# Altium PCB GE21_M1_pku_f100.PcbDoc (part 3 of 19)
Units mm, origin at the board's own origin, x right, y up, seen from the top; angles counter-clockwise.
Board outline 423.9 x 668.59 mm, 8 copper layers (Top Layer, Signal 1, DGNG1, POWER, AGND, DGND2, Signal 2, Bottom Layer), stack 1.03 mm thick; 171 components, 336 nets, 2040 pads, 4872 vias.
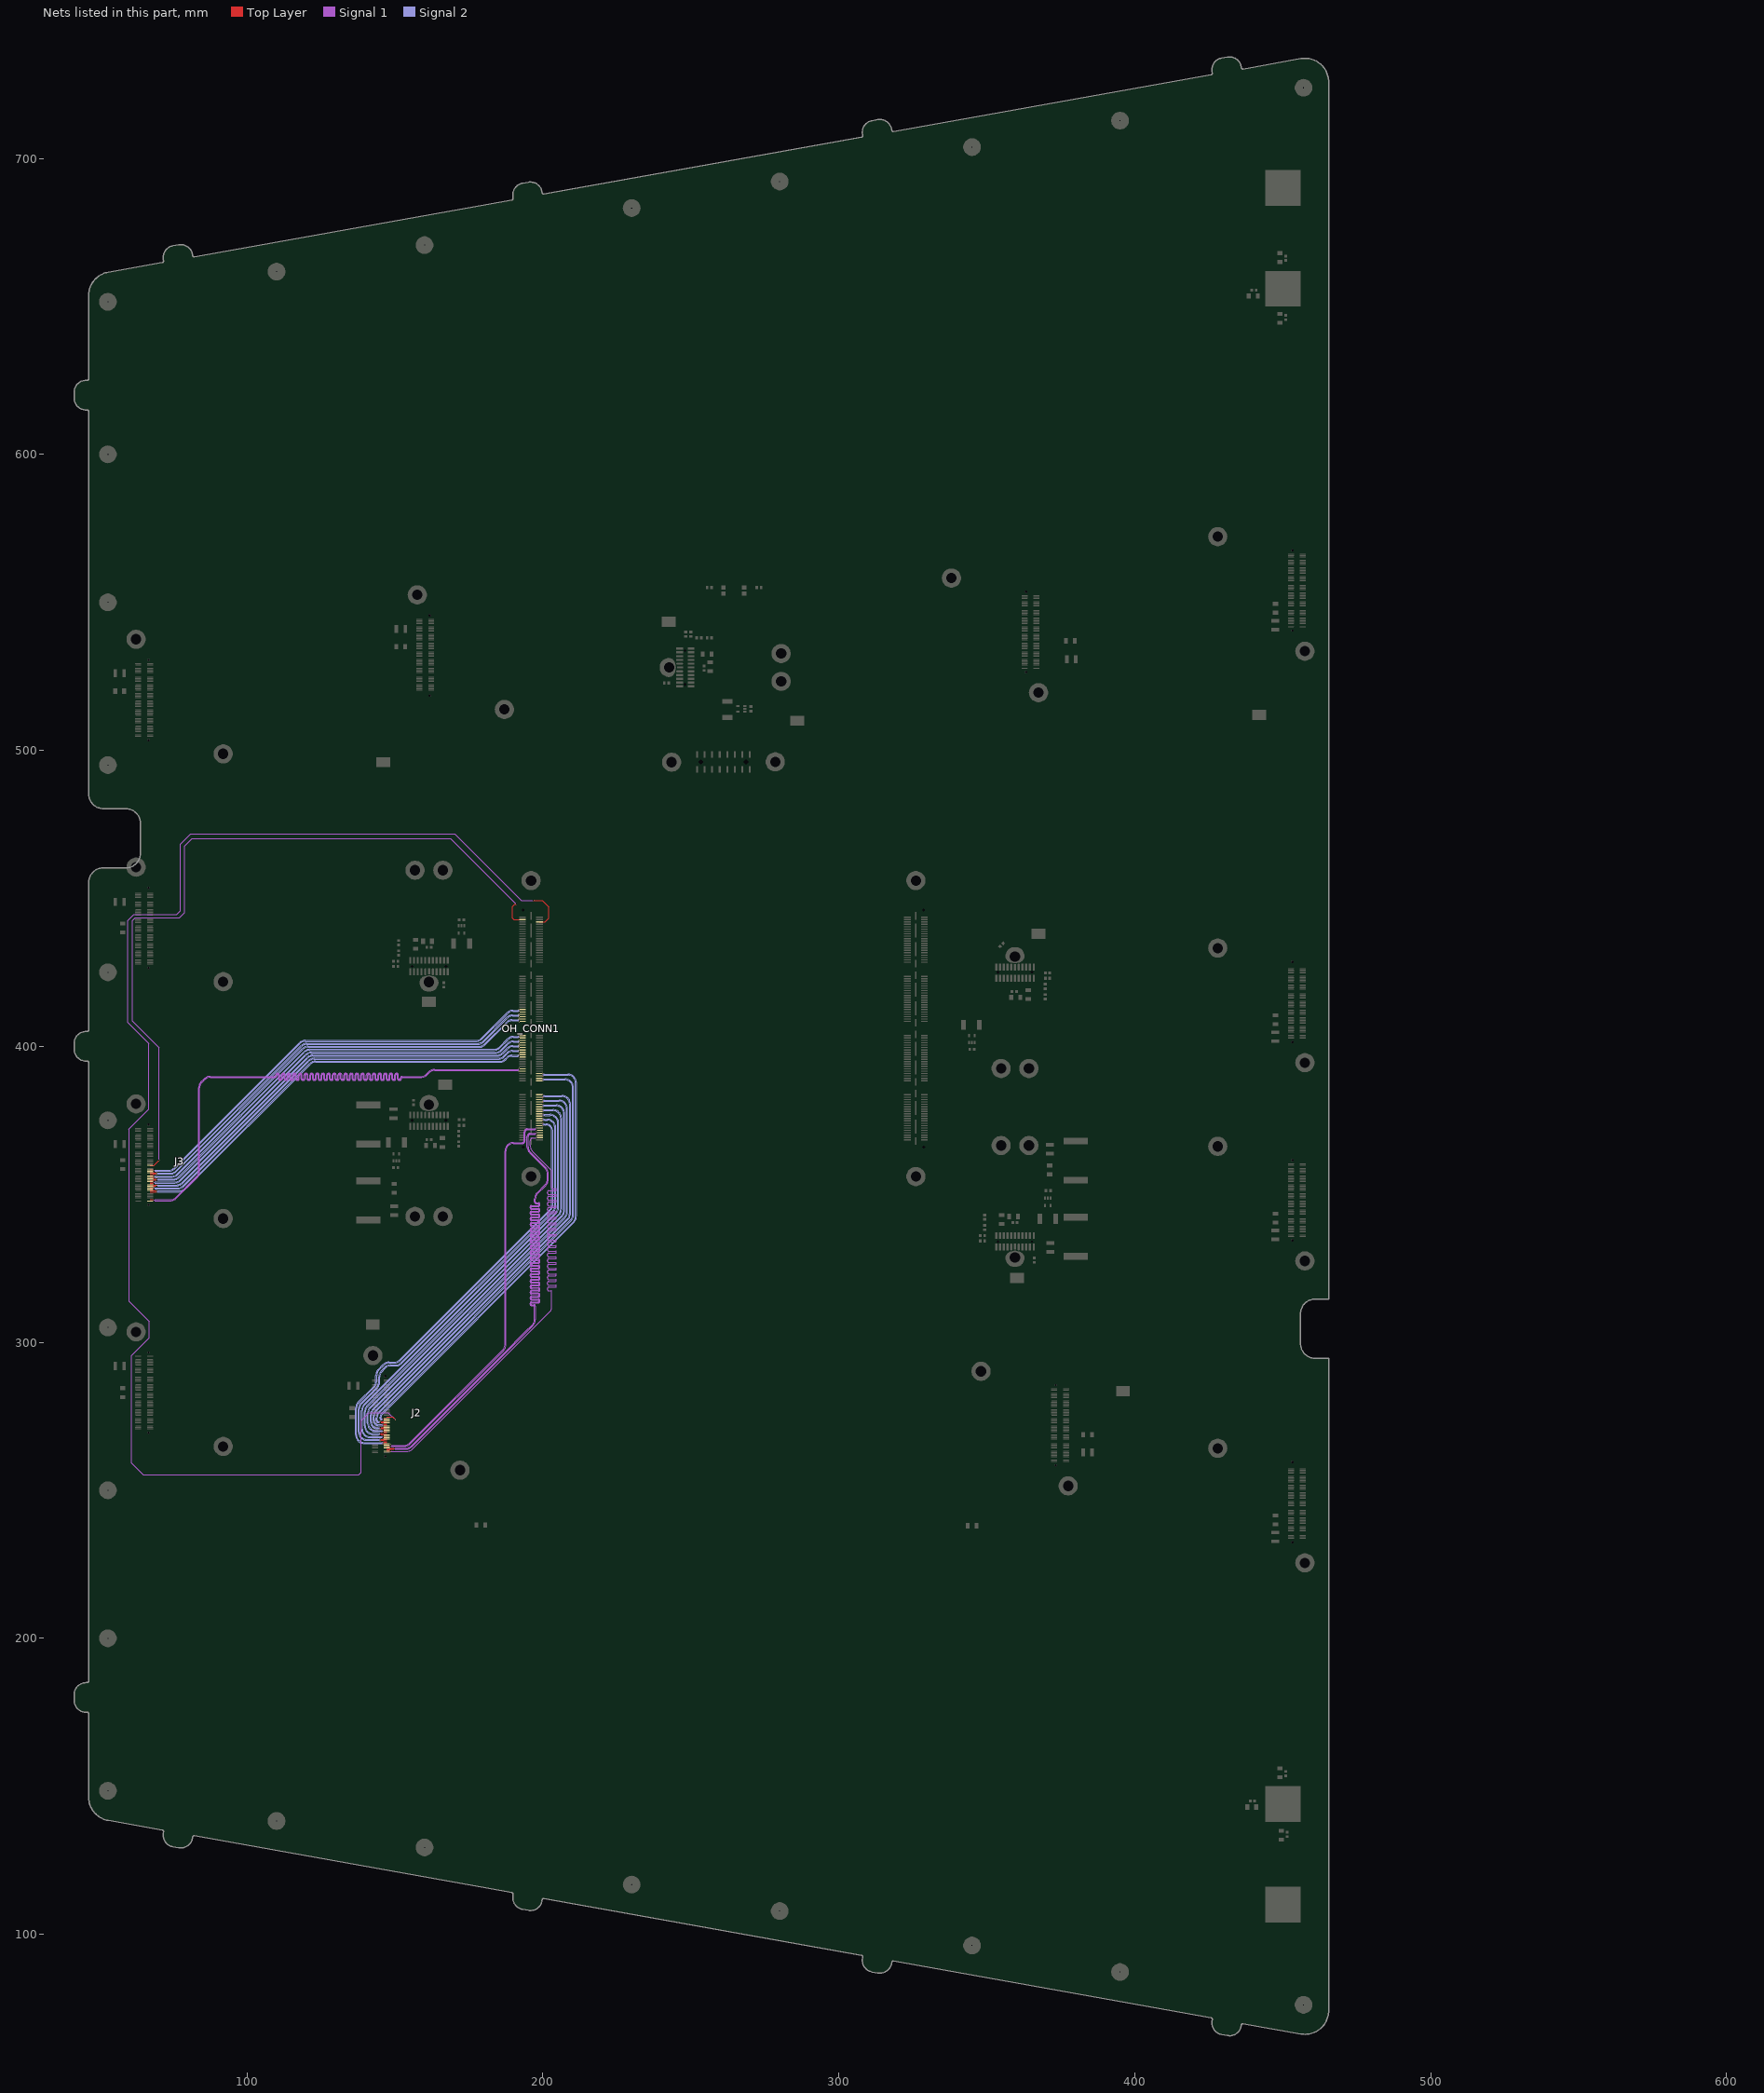
[diagram p9: the nets of this part, all layers, seen from the top]

## Via types
v1: diameter 0.508, hole 0.203, Top Layer to Bottom Layer, tented both sides, 1688 vias
v2: diameter 0.402/0.402/0.402/0.201 (per signal layer), hole 0.201, Top Layer to Bottom Layer, tented both sides, 1040 vias
v3: diameter 0.507, hole 0.202, Top Layer to Bottom Layer, tented both sides, 780 vias
v4: diameter 0.4, hole 0, Top Layer to Bottom Layer, tented both sides, 438 vias
v5: diameter 0.4, hole 0.2, Top Layer to Bottom Layer, tented both sides, 288 vias
v6: diameter 0.51, hole 0.204, Top Layer to Bottom Layer, tented both sides, 288 vias
v7: diameter 0.6/0.4/0.4/0.4 (per signal layer), hole 0.3, Top Layer to Bottom Layer, tented both sides, 254 vias
v8: diameter 0.402, hole 0.201, Top Layer to Bottom Layer, tented both sides, 96 vias

## Nets (pads, with @x,y where several pads share a name; then routed paths per layer and width w, separated by ;. In a path a pad name is that pad's centre, name@x,y a point inside that pad or via, vN(x,y) a via of type N, cw(c..) or ccw(c..) an arc to the next point about the centre after c; other vN are vias at no path point) (continued)
J2CLK_P: J2.98 OH_CONN1.157 | length 234.6
  Top Layer w0.115: v4@148.45,263.25 v5(148.5,263.3)
  Top Layer w0.25: J2.98@147.25,263.25 v4@148.45,263.25
  Signal 1 w0.115: v5(148.5,263.3) ccw(c148.802,263.602) 148.802,263.175 154.128,263.175 ccw(c154.128,265.715) 155.924,263.919 202.256,310.251 ccw(c200.46,312.047) 203,312.047 203,317.15 ccw(c202.792,317.15) 202.792,317.358 202.047,317.358 cw(c202.047,317.916) 201.489,317.916 201.489,318.108 cw(c202.047,318.108) 202.047,318.666 204.303,318.666 ccw(c204.303,318.874) 204.511,318.874 204.511,319.066 ccw(c204.303,319.066) 204.303,319.274 202.047,319.274 cw(c202.047,319.832) 201.489,319.832 201.489,320.024 cw(c202.047,320.024) 202.047,320.582 204.303,320.582 ccw(c204.303,320.79) 204.511,320.79 204.511,320.982 ccw(c204.303,320.982) 204.303,321.19 202.047,321.19 cw(c202.047,321.748) 201.489,321.748 201.489,321.94 cw(c202.047,321.94) 202.047,322.498 204.303,322.498 ccw(c204.303,322.706) 204.511,322.706 204.511,322.898 ccw(c204.303,322.898) 204.303,323.106 202.047,323.106 cw(c202.047,323.664) 201.489,323.664 201.489,323.856 cw(c202.047,323.856) 202.047,324.414 204.303,324.414 ccw(c204.303,324.622) 204.511,324.622 204.511,324.814 ccw(c204.303,324.814) 204.303,325.022 202.047,325.022 cw(c202.047,325.58) 201.489,325.58 201.489,325.772 cw(c202.047,325.772) 202.047,326.33 204.303,326.33 ccw(c204.303,326.538) 204.511,326.538 204.511,326.73 ccw(c204.303,326.73) 204.303,326.938 202.047,326.938 cw(c202.047,327.496) 201.489,327.496 201.489,327.688 cw(c202.047,327.688) 202.047,328.246 204.303,328.246 ccw(c204.303,328.454) 204.511,328.454 204.511,328.646 ccw(c204.303,328.646) 204.303,328.854 202.047,328.854 cw(c202.047,329.412) 201.489,329.412 201.489,329.604 cw(c202.047,329.604) 202.047,330.162 204.303,330.162 ccw(c204.303,330.37) 204.511,330.37 204.511,330.562 ccw(c204.303,330.562) 204.303,330.77 202.047,330.77 cw(c202.047,331.328) 201.489,331.328 201.489,331.52 cw(c202.047,331.52) 202.047,332.078 204.303,332.078 ccw(c204.303,332.286) 204.511,332.286 204.511,332.478 ccw(c204.303,332.478) 204.303,332.686 202.047,332.686 cw(c202.047,333.244) 201.489,333.244 201.489,333.436 cw(c202.047,333.436) 202.047,333.994 204.303,333.994 ccw(c204.303,334.202) 204.511,334.202 204.511,334.394 ccw(c204.303,334.394) 204.303,334.602 202.047,334.602 cw(c202.047,335.16) 201.489,335.16 201.489,335.352 cw(c202.047,335.352) 202.047,335.91 204.303,335.91 ccw(c204.303,336.118) 204.511,336.118 204.511,336.31 ccw(c204.303,336.31) 204.303,336.518 202.047,336.518 cw(c202.047,337.076) 201.489,337.076 201.489,337.268 cw(c202.047,337.268) 202.047,337.826 204.303,337.826 ccw(c204.303,338.034) 204.511,338.034 204.511,338.226 ccw(c204.303,338.226) 204.303,338.434 202.047,338.434 cw(c202.047,338.992) 201.489,338.992 201.489,339.184 cw(c202.047,339.184) 202.047,339.742 204.303,339.742 ccw(c204.303,339.95) 204.511,339.95 204.511,340.142 ccw(c204.303,340.142) 204.303,340.35 202.047,340.35 cw(c202.047,340.908) 201.489,340.908 201.489,341.1 cw(c202.047,341.1) 202.047,341.658 204.303,341.658 ccw(c204.303,341.866) 204.511,341.866 204.511,342.058 ccw(c204.303,342.058) 204.303,342.266 202.047,342.266 cw(c202.047,342.824) 201.489,342.824 201.489,343.016 cw(c202.047,343.016) 202.047,343.574 204.303,343.574 ccw(c204.303,343.782) 204.511,343.782 204.511,343.974 ccw(c204.303,343.974) 204.303,344.182 202.047,344.182 cw(c202.047,344.74) 201.489,344.74 201.489,344.932 cw(c202.047,344.932) 202.047,345.49 204.303,345.49 ccw(c204.303,345.698) 204.511,345.698 204.511,345.89 ccw(c204.303,345.89) 204.303,346.098 202.047,346.098 cw(c202.047,346.656) 201.489,346.656 201.489,346.848 cw(c202.047,346.848) 202.047,347.406 204.303,347.406 ccw(c204.303,347.614) 204.511,347.614 204.511,347.806 ccw(c204.303,347.806) 204.303,348.014 202.047,348.014 cw(c202.047,348.572) 201.489,348.572 201.489,348.764 cw(c202.047,348.764) 202.047,349.322 204.303,349.322 ccw(c204.303,349.53) 204.511,349.53 204.511,349.722 ccw(c204.303,349.722) 204.303,349.93 202.047,349.93 cw(c202.047,350.488) 201.489,350.488 201.489,350.68 cw(c202.047,350.68) 202.047,351.238 204.303,351.238 ccw(c204.303,351.446) 204.511,351.446 204.511,351.638 ccw(c204.303,351.638) 204.303,351.846 203.558,351.846 cw(c203.558,352.404) 203,352.404 203,357.5 ccw(c201.781,357.5) 202.643,358.362 196.496,364.509 cw(c198.54,366.552) 195.65,366.552 195.65,368 cw(c196.625,368) 196.625,368.975 197.207,368.975 ccw(c197.207,369.743) v6(197.75,369.2)
  other v4: 148.57,263.3
J2D1_N: J2.60 OH_CONN1.119 | length 155.4
  Top Layer w0.115: v5(145,272.7) cw(c145.302,272.398) 145.302,272.825 146.125,272.825 146.2,272.75 J2.60@147.25,272.75
  Signal 2 w0.115: v4@145,272.7 ccw(c144.698,272.398) 144.698,272.825 144.5,272.825 cw(c144.5,273.675) 143.65,273.675 143.65,274.448 cw(c146.54,274.448) 144.496,276.491 209.256,341.251 ccw(c207.46,343.047) 210,343.047 210,386.085 ccw(c207.46,386.085) 207.46,388.625 200.543,388.625 ccw(c200.543,387.857) v6(200,388.4)
  other v4: 144.93,272.7 145.07,272.7
J2D1_P: J2.58 OH_CONN1.117 | length 155.4
  Top Layer w0.115: v5(145,273.3) ccw(c145.302,273.602) 145.302,273.175 146.125,273.175 146.2,273.25 J2.58@147.25,273.25
  Signal 2 w0.115: v5(145,273.3) cw(c144.698,273.602) 144.698,273.175 144.5,273.175 cw(c144.5,273.675) 144,273.675 144,274.448 cw(c146.54,274.448) 144.744,276.244 209.504,341.004 ccw(c207.46,343.047) 210.35,343.047 210.35,386.085 ccw(c207.46,386.085) 207.46,388.975 200.543,388.975 cw(c200.543,389.743) v6(200,389.2)
  other v4: 144.93,273.3 145.07,273.3
J2D2_N: J2.64 OH_CONN1.123 | length 150.3
  Top Layer w0.115: v5(146,271.7) v4@146.05,271.75
  Top Layer w0.25: v4@146.05,271.75 J2.64@147.25,271.75
  Signal 2 w0.115: v5(146,271.7) ccw(c145.698,271.398) 145.698,271.825 144.5,271.825 cw(c144.5,273.675) 142.65,273.675 142.65,274.948 cw(c145.54,274.948) 143.496,276.991 208.256,341.751 ccw(c206.46,343.547) 209,343.547 209,380.485 ccw(c206.46,380.485) 206.46,383.025 200.543,383.025 ccw(c200.543,382.257) v6(200,382.8)
  other v4: 145.93,271.7
J2D2_P: J2.62 OH_CONN1.121 | length 150.3
  Top Layer w0.115: v5(146,272.3) v4@146.05,272.25
  Top Layer w0.25: v4@146.05,272.25 J2.62@147.25,272.25
  Signal 2 w0.115: v5(146,272.3) cw(c145.698,272.602) 145.698,272.175 144.5,272.175 cw(c144.5,273.675) 143,273.675 143,274.948 cw(c145.54,274.948) 143.744,276.744 208.504,341.504 ccw(c206.46,343.547) 209.35,343.547 209.35,380.485 ccw(c206.46,380.485) 206.46,383.375 200.543,383.375 cw(c200.543,384.143) v6(200,383.6)
  other v4: 145.93,272.3
J2D3_N: J2.68 OH_CONN1.127 | length 149.5
  Top Layer w0.115: v5(145,270.7) cw(c145.302,270.398) 145.302,270.825 146.125,270.825 146.2,270.75 J2.68@147.25,270.75
  Signal 2 w0.115: v5(145,270.7) ccw(c144.698,270.398) 144.698,270.825 144,270.825 cw(c144,273.175) 141.65,273.175 141.65,275.448 cw(c144.54,275.448) 142.496,277.491 207.256,342.251 ccw(c205.46,344.047) 208,344.047 208,378.885 ccw(c205.46,378.885) 205.46,381.425 200.543,381.425 ccw(c200.543,380.657) v6(200,381.2)
  other v4: 144.93,270.7 145.07,270.7
J2D3_P: J2.66 OH_CONN1.125 | length 149.5
  Top Layer w0.115: v5(145,271.3) ccw(c145.302,271.602) 145.302,271.175 146.125,271.175 146.2,271.25 J2.66@147.25,271.25
  Signal 2 w0.115: v5(145,271.3) cw(c144.698,271.602) 144.698,271.175 144,271.175 cw(c144,273.175) 142,273.175 142,275.448 cw(c144.54,275.448) 142.744,277.244 207.504,342.004 ccw(c205.46,344.047) 208.35,344.047 208.35,378.885 ccw(c205.46,378.885) 205.46,381.775 200.543,381.775 cw(c200.543,382.543) v6(200,382)
  other v4: 144.93,271.3 145.07,271.3
J2D4_N: J2.72 OH_CONN1.131 | length 148.6
  Top Layer w0.115: v5(146,269.7) v4@146.05,269.75
  Top Layer w0.25: v4@146.05,269.75 J2.72@147.25,269.75
  Signal 2 w0.115: v5(146,269.7) ccw(c145.698,269.398) 145.698,269.825 143.54,269.825 cw(c143.54,272.715) 140.65,272.715 140.65,275.948 cw(c143.54,275.948) 141.496,277.991 146,282.495 206.256,342.751 ccw(c204.46,344.547) 207,344.547 207,377.285 ccw(c204.46,377.285) 204.46,379.825 200.543,379.825 ccw(c200.543,379.057) v6(200,379.6)
  other v4: 145.93,269.7
J2D4_P: J2.70 OH_CONN1.129 | length 148.6
  Top Layer w0.115: v5(146,270.3) v4@146.05,270.25
  Top Layer w0.25: v4@146.05,270.25 J2.70@147.25,270.25
  Signal 2 w0.115: v5(146,270.3) cw(c145.698,270.602) 145.698,270.175 143.54,270.175 cw(c143.54,272.715) 141,272.715 141,275.948 cw(c143.54,275.948) 141.744,277.744 146.247,282.247 206.504,342.504 ccw(c204.46,344.547) 207.35,344.547 207.35,377.285 ccw(c204.46,377.285) 204.46,380.175 200.543,380.175 cw(c200.543,380.943) v6(200,380.4)
  other v4: 145.93,270.3
J2D5_N: J2.76 OH_CONN1.135 | length 148.1
  Top Layer w0.115: v5(145,268.7) cw(c145.302,268.398) 145.302,268.825 146.125,268.825 146.2,268.75 J2.76@147.25,268.75
  Signal 2 w0.115: v4@145,268.7 ccw(c144.698,268.398) 144.698,268.825 142.54,268.825 cw(c142.54,271.715) 139.65,271.715 139.65,276.448 cw(c142.54,276.448) 140.496,278.491 205.256,343.251 ccw(c203.46,345.047) 206,345.047 206,375.685 ccw(c203.46,375.685) 203.46,378.225 200.543,378.225 ccw(c200.543,377.457) v6(200,378)
  other v4: 144.93,268.7 145.07,268.7
J2D5_P: J2.74 OH_CONN1.133 | length 148.1
  Top Layer w0.115: v5(145,269.3) ccw(c145.302,269.602) 145.302,269.175 146.125,269.175 146.2,269.25 J2.74@147.25,269.25
  Signal 2 w0.115: v5(145,269.3) cw(c144.698,269.602) 144.698,269.175 142.54,269.175 cw(c142.54,271.715) 140,271.715 140,276.448 cw(c142.54,276.448) 140.744,278.244 205.504,343.004 ccw(c203.46,345.047) 206.35,345.047 206.35,375.685 ccw(c203.46,375.685) 203.46,378.575 200.543,378.575 cw(c200.543,379.343) v6(200,378.8)
  other v4: 144.93,269.3 145.07,269.3
J2D6_N: J2.80 OH_CONN1.139 | length 147.4
  Top Layer w0.115: v5(146,267.7) v4@146.05,267.75
  Top Layer w0.25: v4@146.05,267.75 J2.80@147.25,267.75
  Signal 2 w0.115: v5(146,267.7) ccw(c145.698,267.398) 145.698,267.825 141.54,267.825 cw(c141.54,270.715) 138.65,270.715 138.65,276.948 cw(c141.54,276.948) 139.496,278.991 204.256,343.751 ccw(c202.46,345.547) 205,345.547 205,374.085 ccw(c202.46,374.085) 202.46,376.625 200.543,376.625 ccw(c200.543,375.857) v6(200,376.4)
  other v4: 145.93,267.7
J2D6_P: J2.78 OH_CONN1.137 | length 147.4
  Top Layer w0.115: v5(146,268.3) v4@146.05,268.25
  Top Layer w0.25: v4@146.05,268.25 J2.78@147.25,268.25
  Signal 2 w0.115: v5(146,268.3) cw(c145.698,268.602) 145.698,268.175 141.54,268.175 cw(c141.54,270.715) 139,270.715 139,276.948 cw(c141.54,276.948) 139.744,278.744 204.504,343.504 ccw(c202.46,345.547) 205.35,345.547 205.35,374.085 ccw(c202.46,374.085) 202.46,376.975 200.543,376.975 cw(c200.543,377.743) v6(200,377.2)
  other v4: 145.93,268.3
J2D7_N: J2.84 OH_CONN1.143 | length 148.7
  Top Layer w0.115: v5(145,266.7) cw(c145.302,266.398) 145.302,266.825 146.125,266.825 146.2,266.75 J2.84@147.25,266.75
  Signal 2 w0.115: v4@145,266.7 ccw(c144.698,266.398) 144.698,266.825 140.54,266.825 cw(c140.54,269.715) 137.65,269.715 137.65,277.448 cw(c140.54,277.448) 138.496,279.491 143.756,284.751 ccw(c141.96,286.547) 144.5,286.547 144.5,288.298 cw(c147.39,288.298) 145.346,290.341 146.509,291.504 ; 146.509,291.504 cw(c148.552,289.46) 148.552,292.35 150.298,292.35 ccw(c150.298,294.89) 152.094,293.094 203.256,344.256 ccw(c201.46,346.052) 204,346.052 204,372.485 ccw(c201.46,372.485) 201.46,375.025 200.543,375.025 ccw(c200.543,374.257) v6(200,374.8)
  other v4: 144.93,266.7 145.07,266.7
J2D7_P: J2.82 OH_CONN1.141 | length 148.7
  Top Layer w0.115: v5(145,267.3) ccw(c145.302,267.602) 145.302,267.175 146.125,267.175 146.2,267.25 J2.82@147.25,267.25
  Signal 2 w0.115: v5(145,267.3) cw(c144.698,267.602) 144.698,267.175 140.54,267.175 cw(c140.54,269.715) 138,269.715 138,277.448 cw(c140.54,277.448) 138.744,279.244 144.004,284.504 ccw(c141.96,286.547) 144.85,286.547 144.85,288.298 cw(c147.39,288.298) 145.594,290.094 146.756,291.256 cw(c148.552,289.46) 148.552,292 150.298,292 ccw(c150.298,294.89) 152.341,292.846 203.504,344.009 ccw(c201.46,346.052) 204.35,346.052 204.35,372.485 ccw(c201.46,372.485) 201.46,375.375 200.543,375.375 cw(c200.543,376.143) v6(200,375.6)
  other v4: 144.93,267.3 145.07,267.3
J2D8_N: J2.88 OH_CONN1.147 | length 148.3
  Top Layer w0.115: v5(146,265.7) v4@146.05,265.75
  Top Layer w0.25: v4@146.05,265.75 J2.88@147.25,265.75
  Signal 2 w0.115: v5(146,265.7) ccw(c145.698,265.398) 145.698,265.825 139.54,265.825 cw(c139.54,268.715) 136.65,268.715 136.65,277.698 cw(c139.54,277.698) 137.496,279.741 142.756,285.001 ccw(c140.96,286.797) 143.5,286.797 143.5,288.798 cw(c146.39,288.798) 144.346,290.841 146.009,292.504 ; 146.009,292.504 cw(c148.052,290.46) 148.052,293.35 149.798,293.35 ccw(c149.798,295.89) 151.594,294.094 202.256,344.756 ccw(c200.46,346.552) 203,346.552 203,371.425 ccw(c201,371.425) 201,373.425 200.543,373.425 ccw(c200.543,372.657) v6(200,373.2)
  other v4: 145.93,265.7
J2D8_P: J2.86 OH_CONN1.145 | length 148.3
  Top Layer w0.115: v5(146,266.3) v4@146.05,266.25
  Top Layer w0.25: v4@146.05,266.25 J2.86@147.25,266.25
  Signal 2 w0.115: 143.004,284.754 137.744,279.494 ccw(c139.54,277.698) 137,277.698 137,268.715 ccw(c139.54,268.715) 139.54,266.175 145.698,266.175 ccw(c145.698,266.602) v5(146,266.3) ; 143.004,284.754 ccw(c140.96,286.797) 143.85,286.797 143.85,288.798 cw(c146.39,288.798) 144.594,290.594 146.256,292.256 cw(c148.052,290.46) 148.052,293 149.798,293 ccw(c149.798,295.89) 151.841,293.846 202.504,344.509 ccw(c200.46,346.552) 203.35,346.552 203.35,371.425 ccw(c201,371.425) 201,373.775 200.543,373.775 cw(c200.543,374.543) v6(200,374)
  other v4: 145.93,266.3
J2Reset: J2.52 OH_CONN1.5 | length 493.1
  Top Layer w0.2: J2.52@147.25,274.75 149.25,274.75 v1(150,274) ; v1(196.75,449.25) 199.75,449.25 202,447 202,443.25 200.75,442 OH_CONN1.5@198.865,442
  Signal 1 w0.2: v1(150,274) 147.75,276.25 141.25,276.25 138.5,273.5 138.5,256 137.75,255.25 65,255.25 61,259.25 61,295.5 67,301.5 67,307 60,314 60,372 66.75,378.75 66.75,401 59.75,408 59.75,442.5 61.75,444.5 76.25,444.5 77.5,445.75 77.5,468.25 81,471.75 170.25,471.75 192.75,449.25 v1(196.75,449.25)
J2RXD_N: J2.96 OH_CONN1.155 | length 234.6
  Top Layer w0.115: J2.96@147.25,263.75 148.3,263.75 148.375,263.825 149.448,263.825 cw(c149.448,263.398) v5(149.75,263.7)
  Signal 1 w0.115: v5(149.75,263.7) cw(c150.052,263.398) 150.052,263.825 153.623,263.825 ccw(c153.623,266.715) 155.666,264.671 194.247,303.253 196.654,305.659 ccw(c194.61,307.702) 197.5,307.702 197.5,312.15 ccw(c196.942,312.15) 196.942,312.708 196.2,312.708 cw(c196.2,312.916) 195.991,312.916 195.991,313.108 cw(c196.2,313.108) 196.2,313.316 198.45,313.316 ccw(c198.45,313.874) 199.009,313.874 199.009,314.066 ccw(c198.45,314.066) 198.45,314.624 196.2,314.624 cw(c196.2,314.832) 195.991,314.832 195.991,315.024 cw(c196.2,315.024) 196.2,315.232 198.45,315.232 ccw(c198.45,315.79) 199.009,315.79 199.009,315.982 ccw(c198.45,315.982) 198.45,316.54 196.2,316.54 cw(c196.2,316.748) 195.991,316.748 195.991,316.94 cw(c196.2,316.94) 196.2,317.148 198.45,317.148 ccw(c198.45,317.706) 199.009,317.706 199.009,317.898 ccw(c198.45,317.898) 198.45,318.456 196.2,318.456 cw(c196.2,318.664) 195.991,318.664 195.991,318.856 cw(c196.2,318.856) 196.2,319.064 198.45,319.064 ccw(c198.45,319.622) 199.009,319.622 199.009,319.814 ccw(c198.45,319.814) 198.45,320.372 196.2,320.372 cw(c196.2,320.58) 195.991,320.58 195.991,320.772 cw(c196.2,320.772) 196.2,320.98 198.45,320.98 ccw(c198.45,321.538) 199.009,321.538 199.009,321.73 ccw(c198.45,321.73) 198.45,322.288 196.2,322.288 cw(c196.2,322.496) 195.991,322.496 195.991,322.688 cw(c196.2,322.688) 196.2,322.896 198.45,322.896 ccw(c198.45,323.454) 199.009,323.454 199.009,323.646 ccw(c198.45,323.646) 198.45,324.204 196.2,324.204 cw(c196.2,324.412) 195.991,324.412 195.991,324.604 cw(c196.2,324.604) 196.2,324.812 198.45,324.812 ccw(c198.45,325.37) 199.009,325.37 199.009,325.562 ccw(c198.45,325.562) 198.45,326.12 196.2,326.12 cw(c196.2,326.328) 195.991,326.328 195.991,326.52 cw(c196.2,326.52) 196.2,326.728 198.45,326.728 ccw(c198.45,327.286) 199.009,327.286 199.009,327.478 ccw(c198.45,327.478) 198.45,328.036 196.2,328.036 cw(c196.2,328.244) 195.991,328.244 195.991,328.436 cw(c196.2,328.436) 196.2,328.644 198.45,328.644 ccw(c198.45,329.202) 199.009,329.202 199.009,329.394 ccw(c198.45,329.394) 198.45,329.952 196.2,329.952 cw(c196.2,330.16) 195.991,330.16 195.991,330.352 cw(c196.2,330.352) 196.2,330.56 198.45,330.56 ccw(c198.45,331.118) 199.009,331.118 199.009,331.31 ccw(c198.45,331.31) 198.45,331.868 196.2,331.868 cw(c196.2,332.076) 195.991,332.076 195.991,332.268 cw(c196.2,332.268) 196.2,332.476 198.45,332.476 ccw(c198.45,333.034) 199.009,333.034 199.009,333.226 ccw(c198.45,333.226) 198.45,333.784 196.2,333.784 cw(c196.2,333.992) 195.991,333.992 195.991,334.184 cw(c196.2,334.184) 196.2,334.392 198.45,334.392 ccw(c198.45,334.95) 199.009,334.95 199.009,335.142 ccw(c198.45,335.142) 198.45,335.7 196.2,335.7 cw(c196.2,335.908) 195.991,335.908 195.991,336.1 cw(c196.2,336.1) 196.2,336.308 198.45,336.308 ccw(c198.45,336.866) 199.009,336.866 199.009,337.058 ccw(c198.45,337.058) 198.45,337.616 196.2,337.616 cw(c196.2,337.824) 195.991,337.824 195.991,338.016 cw(c196.2,338.016) 196.2,338.224 198.45,338.224 ccw(c198.45,338.782) 199.009,338.782 199.009,338.974 ccw(c198.45,338.974) 198.45,339.532 196.2,339.532 cw(c196.2,339.74) 195.991,339.74 195.991,339.932 cw(c196.2,339.932) 196.2,340.14 198.45,340.14 ccw(c198.45,340.698) 199.009,340.698 199.009,340.89 ccw(c198.45,340.89) 198.45,341.448 196.2,341.448 cw(c196.2,341.656) 195.991,341.656 195.991,341.848 cw(c196.2,341.848) 196.2,342.056 198.45,342.056 ccw(c198.45,342.614) 199.009,342.614 199.009,342.806 ccw(c198.45,342.806) 198.45,343.364 196.2,343.364 cw(c196.2,343.572) 195.991,343.572 195.991,343.764 cw(c196.2,343.764) 196.2,343.972 198.45,343.972 ccw(c198.45,344.53) 199.009,344.53 199.009,344.722 ccw(c198.45,344.722) 198.45,345.28 196.2,345.28 cw(c196.2,345.488) 195.991,345.488 195.991,345.68 cw(c196.2,345.68) 196.2,345.888 198.45,345.888 ccw(c198.45,346.446) 199.009,346.446 199.009,346.638 ccw(c198.45,346.638) 198.45,347.196 197.708,347.196 cw(c197.708,347.404) 197.5,347.404 197.5,348.453 cw(c200.04,348.453) 198.244,350.249 201.004,353.009 ccw(c198.96,355.052) 201.85,355.052 201.85,356.953 ccw(c198.96,356.953) 201.004,358.996 195.744,364.256 cw(c197.54,366.052) 195,366.052 195,369.5 cw(c195.725,369.5) 195.725,370.225 197.207,370.225 cw(c197.207,369.457) v6(197.75,370)
  other v4: 149.68,263.7 149.82,263.7
J2RXD_P: J2.94 OH_CONN1.153 | length 234.6
  Top Layer w0.115: J2.94@147.25,264.25 148.3,264.25 148.375,264.175 149.448,264.175 ccw(c149.448,264.602) v5(149.75,264.3)
  Signal 1 w0.115: v5(149.75,264.3) ccw(c150.052,264.602) 150.052,264.175 153.623,264.175 ccw(c153.623,266.715) 155.419,264.919 187,296.5 194,303.5 196.406,305.906 ccw(c194.61,307.702) 197.15,307.702 197.15,312.15 ccw(c196.942,312.15) 196.942,312.358 196.2,312.358 cw(c196.2,312.916) 195.641,312.916 195.641,313.108 cw(c196.2,313.108) 196.2,313.666 198.45,313.666 ccw(c198.45,313.874) 198.659,313.874 198.659,314.066 ccw(c198.45,314.066) 198.45,314.274 196.2,314.274 cw(c196.2,314.832) 195.641,314.832 195.641,315.024 cw(c196.2,315.024) 196.2,315.582 198.45,315.582 ccw(c198.45,315.79) 198.659,315.79 198.659,315.982 ccw(c198.45,315.982) 198.45,316.19 196.2,316.19 cw(c196.2,316.748) 195.641,316.748 195.641,316.94 cw(c196.2,316.94) 196.2,317.498 198.45,317.498 ccw(c198.45,317.706) 198.659,317.706 198.659,317.898 ccw(c198.45,317.898) 198.45,318.106 196.2,318.106 cw(c196.2,318.664) 195.641,318.664 195.641,318.856 cw(c196.2,318.856) 196.2,319.414 198.45,319.414 ccw(c198.45,319.622) 198.659,319.622 198.659,319.814 ccw(c198.45,319.814) 198.45,320.022 196.2,320.022 cw(c196.2,320.58) 195.641,320.58 195.641,320.772 cw(c196.2,320.772) 196.2,321.33 198.45,321.33 ccw(c198.45,321.538) 198.659,321.538 198.659,321.73 ccw(c198.45,321.73) 198.45,321.938 196.2,321.938 cw(c196.2,322.496) 195.641,322.496 195.641,322.688 cw(c196.2,322.688) 196.2,323.246 198.45,323.246 ccw(c198.45,323.454) 198.659,323.454 198.659,323.646 ccw(c198.45,323.646) 198.45,323.854 196.2,323.854 cw(c196.2,324.412) 195.641,324.412 195.641,324.604 cw(c196.2,324.604) 196.2,325.162 198.45,325.162 ccw(c198.45,325.37) 198.659,325.37 198.659,325.562 ccw(c198.45,325.562) 198.45,325.77 196.2,325.77 cw(c196.2,326.328) 195.641,326.328 195.641,326.52 cw(c196.2,326.52) 196.2,327.078 198.45,327.078 ccw(c198.45,327.286) 198.659,327.286 198.659,327.478 ccw(c198.45,327.478) 198.45,327.686 196.2,327.686 cw(c196.2,328.244) 195.641,328.244 195.641,328.436 cw(c196.2,328.436) 196.2,328.994 198.45,328.994 ccw(c198.45,329.202) 198.659,329.202 198.659,329.394 ccw(c198.45,329.394) 198.45,329.602 196.2,329.602 cw(c196.2,330.16) 195.641,330.16 195.641,330.352 cw(c196.2,330.352) 196.2,330.91 198.45,330.91 ccw(c198.45,331.118) 198.659,331.118 198.659,331.31 ccw(c198.45,331.31) 198.45,331.518 196.2,331.518 cw(c196.2,332.076) 195.641,332.076 195.641,332.268 cw(c196.2,332.268) 196.2,332.826 198.45,332.826 ccw(c198.45,333.034) 198.659,333.034 198.659,333.226 ccw(c198.45,333.226) 198.45,333.434 196.2,333.434 cw(c196.2,333.992) 195.641,333.992 195.641,334.184 cw(c196.2,334.184) 196.2,334.742 198.45,334.742 ccw(c198.45,334.95) 198.659,334.95 198.659,335.142 ccw(c198.45,335.142) 198.45,335.35 196.2,335.35 cw(c196.2,335.908) 195.641,335.908 195.641,336.1 cw(c196.2,336.1) 196.2,336.658 198.45,336.658 ccw(c198.45,336.866) 198.659,336.866 198.659,337.058 ccw(c198.45,337.058) 198.45,337.266 196.2,337.266 cw(c196.2,337.824) 195.641,337.824 195.641,338.016 cw(c196.2,338.016) 196.2,338.574 198.45,338.574 ccw(c198.45,338.782) 198.659,338.782 198.659,338.974 ccw(c198.45,338.974) 198.45,339.182 196.2,339.182 cw(c196.2,339.74) 195.641,339.74 195.641,339.932 cw(c196.2,339.932) 196.2,340.49 198.45,340.49 ccw(c198.45,340.698) 198.659,340.698 198.659,340.89 ccw(c198.45,340.89) 198.45,341.098 196.2,341.098 cw(c196.2,341.656) 195.641,341.656 195.641,341.848 cw(c196.2,341.848) 196.2,342.406 198.45,342.406 ccw(c198.45,342.614) 198.659,342.614 198.659,342.806 ccw(c198.45,342.806) 198.45,343.014 196.2,343.014 cw(c196.2,343.572) 195.641,343.572 195.641,343.764 cw(c196.2,343.764) 196.2,344.322 198.45,344.322 ccw(c198.45,344.53) 198.659,344.53 198.659,344.722 ccw(c198.45,344.722) 198.45,344.93 196.2,344.93 cw(c196.2,345.488) 195.641,345.488 195.641,345.68 cw(c196.2,345.68) 196.2,346.238 198.45,346.238 ccw(c198.45,346.446) 198.659,346.446 198.659,346.638 ccw(c198.45,346.638) 198.45,346.846 197.708,346.846 cw(c197.708,347.404) 197.15,347.404 197.15,348.453 cw(c200.04,348.453) 197.996,350.496 200.756,353.256 ccw(c198.96,355.052) 201.5,355.052 201.5,356.953 ccw(c198.96,356.953) 200.756,358.749 195.496,364.009 cw(c197.54,366.052) 194.65,366.052 194.65,369.5 cw(c195.725,369.5) 195.725,370.575 197.207,370.575 ccw(c197.207,371.343) v6(197.75,370.8)
  other v4: 149.68,264.3 149.82,264.3
J2Strobe_N: J2.56 OH_CONN1.115 | length 155.7
  Top Layer w0.115: v5(146,273.7) v4@146.05,273.75
  Top Layer w0.25: v4@146.05,273.75 J2.56@147.25,273.75
  Signal 2 w0.115: v5(146,273.7) ccw(c145.698,273.398) 145.698,273.825 145.5,273.825 cw(c145.5,274.425) 144.9,274.425 144.9,274.543 cw(c146.957,274.543) 145.503,275.997 210.256,340.751 ccw(c208.46,342.547) 211,342.547 211,387.685 ccw(c208.46,387.685) 208.46,390.225 200.543,390.225 ccw(c200.543,389.457) v6(200,390)
  other v4: 145.93,273.7
J2Strobe_P: J2.54 OH_CONN1.113 | length 155.7
  Top Layer w0.115: v5(146,274.3) v4@146.05,274.25
  Top Layer w0.25: v4@146.05,274.25 J2.54@147.25,274.25
  Signal 2 w0.115: v5(146,274.3) cw(c145.698,274.602) 145.698,274.175 145.5,274.175 cw(c145.5,274.425) 145.25,274.425 145.25,274.543 cw(c146.957,274.543) 145.75,275.75 210.504,340.504 ccw(c208.46,342.547) 211.35,342.547 211.35,387.685 ccw(c208.46,387.685) 208.46,390.575 200.543,390.575 cw(c200.543,391.343) v6(200,390.8)
  other v4: 145.93,274.3
J2TXD_N: J2.92 OH_CONN1.151 | length 136.1
  Top Layer w0.115: v4@148.45,264.75 v5(148.5,264.7)
  Top Layer w0.25: J2.92@147.25,264.75 v4@148.45,264.75
  Signal 1 w0.115: v5(148.5,264.7) cw(c148.802,264.398) 148.802,264.825 153.123,264.825 ccw(c153.123,267.715) 155.166,265.671 186.654,297.159 ccw(c184.61,299.202) 187.5,299.202 187.5,364.61 cw(c190.04,364.61) 190.04,367.15 193,367.15 ccw(c193,368.15) 194,368.15 194,371 cw(c194.825,371) 194.825,371.825 197.207,371.825 cw(c197.207,371.057) v6(197.75,371.6)
  other v4: 148.57,264.7
J2TXD_P: J2.90 OH_CONN1.149 | length 136.1
  Top Layer w0.115: v4@148.45,265.25 v5(148.5,265.3)
  Top Layer w0.25: J2.90@147.25,265.25 v4@148.45,265.25
  Signal 1 w0.115: v5(148.5,265.3) ccw(c148.802,265.602) 148.802,265.175 153.123,265.175 ccw(c153.123,267.715) 154.919,265.919 186.406,297.406 ccw(c184.61,299.202) 187.15,299.202 187.15,364.61 cw(c190.04,364.61) 190.04,367.5 193,367.5 ccw(c193,368.15) 193.65,368.15 193.65,371 cw(c194.825,371) 194.825,372.175 197.207,372.175 ccw(c197.207,372.943) v6(197.75,372.4)
  other v4: 148.57,265.3
J3CLK_N: J3.100 OH_CONN1.112 | length 234.6
  Top Layer w0.25: J3.100@67.25,347.75 68.45,347.75 v5(68.5,347.7)
  Signal 1 w0.115: v5(68.5,347.7) cw(c68.802,347.398) 68.802,347.825 74.128,347.825 ccw(c74.128,350.715) 76.171,348.671 83.154,355.654 ; 83.154,355.654 ccw(c81.11,357.697) 84,357.697 84,385.948 cw(c86.54,385.948) 84.744,387.744 85.756,388.756 cw(c87.552,386.96) 87.552,389.5 109.486,389.5 ccw(c109.486,390.058) 110.044,390.058 110.044,390.305 cw(c110.252,390.305) 110.252,390.513 110.444,390.513 cw(c110.444,390.305) 110.652,390.305 110.652,389.045 ccw(c111.21,389.045) 111.21,388.487 111.402,388.487 ccw(c111.402,389.045) 111.96,389.045 111.96,390.305 cw(c112.168,390.305) 112.168,390.513 112.36,390.513 cw(c112.36,390.305) 112.568,390.305 112.568,389.045 ccw(c113.126,389.045) 113.126,388.487 113.318,388.487 ccw(c113.318,389.045) 113.876,389.045 113.876,390.305 cw(c114.084,390.305) 114.084,390.513 114.276,390.513 cw(c114.276,390.305) 114.484,390.305 114.484,389.045 ccw(c115.042,389.045) 115.042,388.487 115.234,388.487 ccw(c115.234,389.045) 115.792,389.045 115.792,390.305 cw(c116,390.305) 116,390.513 116.192,390.513 cw(c116.192,390.305) 116.4,390.305 116.4,389.045 ccw(c116.958,389.045) 116.958,388.487 117.15,388.487 ccw(c117.15,389.045) 117.708,389.045 117.708,390.305 cw(c117.916,390.305) 117.916,390.513 118.108,390.513 cw(c118.108,390.305) 118.316,390.305 118.316,389.045 ccw(c118.874,389.045) 118.874,388.487 119.066,388.487 ccw(c119.066,389.045) 119.624,389.045 119.624,390.305 cw(c119.832,390.305) 119.832,390.513 120.024,390.513 cw(c120.024,390.305) 120.232,390.305 120.232,389.045 ccw(c120.79,389.045) 120.79,388.487 120.982,388.487 ccw(c120.982,389.045) 121.54,389.045 121.54,390.305 cw(c121.748,390.305) 121.748,390.513 121.94,390.513 cw(c121.94,390.305) 122.148,390.305 122.148,389.045 ccw(c122.706,389.045) 122.706,388.487 122.898,388.487 ccw(c122.898,389.045) 123.456,389.045 123.456,390.305 cw(c123.664,390.305) 123.664,390.513 123.856,390.513 cw(c123.856,390.305) 124.064,390.305 124.064,389.045 ccw(c124.622,389.045) 124.622,388.487 124.814,388.487 ccw(c124.814,389.045) 125.372,389.045 125.372,390.305 cw(c125.58,390.305) 125.58,390.513 125.772,390.513 cw(c125.772,390.305) 125.98,390.305 125.98,389.045 ccw(c126.538,389.045) 126.538,388.487 126.73,388.487 ccw(c126.73,389.045) 127.288,389.045 127.288,390.305 cw(c127.496,390.305) 127.496,390.513 127.688,390.513 cw(c127.688,390.305) 127.896,390.305 127.896,389.045 ccw(c128.454,389.045) 128.454,388.487 128.646,388.487 ccw(c128.646,389.045) 129.204,389.045 129.204,390.305 cw(c129.412,390.305) 129.412,390.513 129.604,390.513 cw(c129.604,390.305) 129.812,390.305 129.812,389.045 ccw(c130.37,389.045) 130.37,388.487 130.562,388.487 ccw(c130.562,389.045) 131.12,389.045 131.12,390.305 cw(c131.328,390.305) 131.328,390.513 131.52,390.513 cw(c131.52,390.305) 131.728,390.305 131.728,389.045 ccw(c132.286,389.045) 132.286,388.487 132.478,388.487 ccw(c132.478,389.045) 133.036,389.045 133.036,390.305 cw(c133.244,390.305) 133.244,390.513 133.436,390.513 cw(c133.436,390.305) 133.644,390.305 133.644,389.045 ccw(c134.202,389.045) 134.202,388.487 134.394,388.487 ccw(c134.394,389.045) 134.952,389.045 134.952,390.305 cw(c135.16,390.305) 135.16,390.513 135.352,390.513 cw(c135.352,390.305) 135.56,390.305 135.56,389.045 ccw(c136.118,389.045) 136.118,388.487 136.31,388.487 ccw(c136.31,389.045) 136.868,389.045 136.868,390.305 cw(c137.076,390.305) 137.076,390.513 137.268,390.513 cw(c137.268,390.305) 137.476,390.305 137.476,389.045 ccw(c138.034,389.045) 138.034,388.487 138.226,388.487 ccw(c138.226,389.045) 138.784,389.045 138.784,390.305 cw(c138.992,390.305) 138.992,390.513 139.184,390.513 cw(c139.184,390.305) 139.392,390.305 139.392,389.045 ccw(c139.95,389.045) 139.95,388.487 140.142,388.487 ccw(c140.142,389.045) 140.7,389.045 140.7,390.305 cw(c140.908,390.305) 140.908,390.513 141.1,390.513 cw(c141.1,390.305) 141.308,390.305 141.308,389.045 ccw(c141.866,389.045) 141.866,388.487 142.058,388.487 ccw(c142.058,389.045) 142.616,389.045 142.616,390.305 cw(c142.824,390.305) 142.824,390.513 143.016,390.513 cw(c143.016,390.305) 143.224,390.305 143.224,389.045 ccw(c143.782,389.045) 143.782,388.487 143.974,388.487 ccw(c143.974,389.045) 144.532,389.045 144.532,390.305 cw(c144.74,390.305) 144.74,390.513 144.932,390.513 cw(c144.932,390.305) 145.14,390.305 145.14,389.045 ccw(c145.698,389.045) 145.698,388.487 145.89,388.487 ccw(c145.89,389.045) 146.448,389.045 146.448,390.305 cw(c146.656,390.305) 146.656,390.513 146.848,390.513 cw(c146.848,390.305) 147.056,390.305 147.056,389.045 ccw(c147.614,389.045) 147.614,388.487 147.806,388.487 ccw(c147.806,389.045) 148.364,389.045 148.364,390.305 cw(c148.572,390.305) 148.572,390.513 148.764,390.513 cw(c148.764,390.305) 148.972,390.305 148.972,389.045 ccw(c149.53,389.045) 149.53,388.487 149.722,388.487 ccw(c149.722,389.045) 150.28,389.045 150.28,390.305 cw(c150.488,390.305) 150.488,390.513 150.68,390.513 cw(c150.68,390.305) 150.888,390.305 150.888,389.045 ccw(c151.446,389.045) 151.446,388.487 151.638,388.487 ccw(c151.638,389.045) 152.196,389.045 152.196,389.292 cw(c152.404,389.292) 152.404,389.5 158.803,389.5 ccw(c158.803,392.39) 160.846,390.346 161.581,391.081 cw(c163.377,389.285) 163.377,391.825 191.457,391.825 cw(c191.457,391.057) v6(192,391.6)
  other v4: 68.57,347.7
J3CLK_P: J3.98 OH_CONN1.110 | length 234.6
  Top Layer w0.25: J3.98@67.25,348.25 68.45,348.25 v5(68.5,348.3)
  Signal 1 w0.115: v5(68.5,348.3) ccw(c68.802,348.602) 68.802,348.175 74.128,348.175 ccw(c74.128,350.715) 75.924,348.919 82.906,355.901 ccw(c81.11,357.697) 83.65,357.697 83.65,385.948 cw(c86.54,385.948) 84.496,387.991 85.509,389.004 ; 85.509,389.004 cw(c87.552,386.96) 87.552,389.85 109.486,389.85 ccw(c109.486,390.058) 109.694,390.058 109.694,390.305 cw(c110.252,390.305) 110.252,390.863 110.444,390.863 cw(c110.444,390.305) 111.002,390.305 111.002,389.045 ccw(c111.21,389.045) 111.21,388.837 111.402,388.837 ccw(c111.402,389.045) 111.61,389.045 111.61,390.305 cw(c112.168,390.305) 112.168,390.863 112.36,390.863 cw(c112.36,390.305) 112.918,390.305 112.918,389.045 ccw(c113.126,389.045) 113.126,388.837 113.318,388.837 ccw(c113.318,389.045) 113.526,389.045 113.526,390.305 cw(c114.084,390.305) 114.084,390.863 114.276,390.863 cw(c114.276,390.305) 114.834,390.305 ; 114.834,390.305 114.834,389.045 ccw(c115.042,389.045) 115.042,388.837 115.234,388.837 ccw(c115.234,389.045) 115.442,389.045 115.442,390.305 cw(c116,390.305) 116,390.863 116.192,390.863 cw(c116.192,390.305) 116.75,390.305 116.75,389.045 ccw(c116.958,389.045) 116.958,388.837 117.15,388.837 ccw(c117.15,389.045) 117.358,389.045 117.358,390.305 cw(c117.916,390.305) 117.916,390.863 118.108,390.863 cw(c118.108,390.305) 118.666,390.305 118.666,389.045 ccw(c118.874,389.045) 118.874,388.837 119.066,388.837 ccw(c119.066,389.045) 119.274,389.045 119.274,390.305 cw(c119.832,390.305) 119.832,390.863 120.024,390.863 cw(c120.024,390.305) 120.582,390.305 120.582,389.045 ccw(c120.79,389.045) 120.79,388.837 120.982,388.837 ccw(c120.982,389.045) 121.19,389.045 121.19,390.305 cw(c121.748,390.305) 121.748,390.863 121.94,390.863 cw(c121.94,390.305) 122.498,390.305 122.498,389.045 ccw(c122.706,389.045) 122.706,388.837 122.898,388.837 ccw(c122.898,389.045) 123.106,389.045 123.106,390.305 cw(c123.664,390.305) 123.664,390.863 123.856,390.863 cw(c123.856,390.305) 124.414,390.305 124.414,389.045 ccw(c124.622,389.045) 124.622,388.837 124.814,388.837 ccw(c124.814,389.045) 125.022,389.045 125.022,390.305 cw(c125.58,390.305) 125.58,390.863 125.772,390.863 cw(c125.772,390.305) 126.33,390.305 126.33,389.045 ccw(c126.538,389.045) 126.538,388.837 126.73,388.837 ccw(c126.73,389.045) 126.938,389.045 126.938,390.305 cw(c127.496,390.305) 127.496,390.863 127.688,390.863 cw(c127.688,390.305) 128.246,390.305 128.246,389.045 ccw(c128.454,389.045) 128.454,388.837 128.646,388.837 ccw(c128.646,389.045) 128.854,389.045 128.854,390.305 cw(c129.412,390.305) 129.412,390.863 129.604,390.863 cw(c129.604,390.305) 130.162,390.305 130.162,389.045 ccw(c130.37,389.045) 130.37,388.837 130.562,388.837 ccw(c130.562,389.045) 130.77,389.045 130.77,390.305 cw(c131.328,390.305) 131.328,390.863 131.52,390.863 cw(c131.52,390.305) 132.078,390.305 132.078,389.045 ccw(c132.286,389.045) 132.286,388.837 132.478,388.837 ccw(c132.478,389.045) 132.686,389.045 132.686,390.305 cw(c133.244,390.305) 133.244,390.863 133.436,390.863 cw(c133.436,390.305) 133.994,390.305 133.994,389.045 ccw(c134.202,389.045) 134.202,388.837 134.394,388.837 ccw(c134.394,389.045) 134.602,389.045 134.602,390.305 cw(c135.16,390.305) 135.16,390.863 135.352,390.863 cw(c135.352,390.305) 135.91,390.305 135.91,389.045 ccw(c136.118,389.045) 136.118,388.837 136.31,388.837 ccw(c136.31,389.045) 136.518,389.045 136.518,390.305 cw(c137.076,390.305) 137.076,390.863 137.268,390.863 cw(c137.268,390.305) 137.826,390.305 137.826,389.045 ccw(c138.034,389.045) 138.034,388.837 138.226,388.837 ccw(c138.226,389.045) 138.434,389.045 138.434,390.305 cw(c138.992,390.305) 138.992,390.863 139.184,390.863 cw(c139.184,390.305) 139.742,390.305 139.742,389.045 ccw(c139.95,389.045) 139.95,388.837 140.142,388.837 ccw(c140.142,389.045) 140.35,389.045 140.35,390.305 cw(c140.908,390.305) 140.908,390.863 141.1,390.863 cw(c141.1,390.305) 141.658,390.305 141.658,389.045 ccw(c141.866,389.045) 141.866,388.837 142.058,388.837 ccw(c142.058,389.045) 142.266,389.045 142.266,390.305 cw(c142.824,390.305) 142.824,390.863 143.016,390.863 cw(c143.016,390.305) 143.574,390.305 143.574,389.045 ccw(c143.782,389.045) 143.782,388.837 143.974,388.837 ccw(c143.974,389.045) 144.182,389.045 144.182,390.305 cw(c144.74,390.305) 144.74,390.863 144.932,390.863 cw(c144.932,390.305) 145.49,390.305 145.49,389.045 ccw(c145.698,389.045) 145.698,388.837 145.89,388.837 ccw(c145.89,389.045) 146.098,389.045 146.098,390.305 cw(c146.656,390.305) 146.656,390.863 146.848,390.863 cw(c146.848,390.305) 147.406,390.305 147.406,389.045 ccw(c147.614,389.045) 147.614,388.837 147.806,388.837 ccw(c147.806,389.045) 148.014,389.045 148.014,390.305 cw(c148.572,390.305) 148.572,390.863 148.764,390.863 cw(c148.764,390.305) 149.322,390.305 149.322,389.045 ccw(c149.53,389.045) 149.53,388.837 149.722,388.837 ccw(c149.722,389.045) 149.93,389.045 149.93,390.305 cw(c150.488,390.305) 150.488,390.863 150.68,390.863 cw(c150.68,390.305) 151.238,390.305 151.238,389.045 ccw(c151.446,389.045) 151.446,388.837 151.638,388.837 ccw(c151.638,389.045) 151.846,389.045 151.846,389.292 cw(c152.404,389.292) 152.404,389.85 158.803,389.85 ccw(c158.803,392.39) 160.599,390.594 161.334,391.329 ; 161.334,391.329 cw(c163.377,389.285) 163.377,392.175 191.457,392.175 ccw(c191.457,392.943) v6(192,392.4)
  other v4: 68.57,348.3
J3D1_N: J3.60 OH_CONN1.72 | length 146.8
  Top Layer w0.25: J3.60@67.25,357.75 68.45,357.75 v5(68.5,357.7)
  Signal 2 w0.115: v5(68.5,357.7) cw(c68.802,357.398) 68.802,357.825 73.628,357.825 ccw(c73.628,360.715) 75.671,358.671 117.906,400.906 cw(c119.702,399.11) 119.702,401.65 177.453,401.65 ccw(c177.453,404.54) 179.496,402.496 188.081,411.081 cw(c189.877,409.285) 189.877,411.825 191.457,411.825 cw(c191.457,411.057) v6(192,411.6)
  other v4: 68.57,357.7
J3D1_P: J3.58 OH_CONN1.70 | length 146.8
  Top Layer w0.25: J3.58@67.25,358.25 68.45,358.25 v5(68.5,358.3)
  Signal 2 w0.115: v5(68.5,358.3) ccw(c68.802,358.602) 68.802,358.175 73.628,358.175 ccw(c73.628,360.715) 75.424,358.919 117.659,401.154 cw(c119.702,399.11) 119.702,402 177.453,402 ccw(c177.453,404.54) 179.249,402.744 187.834,411.329 cw(c189.877,409.285) 189.877,412.175 191.457,412.175 ccw(c191.457,412.943) v6(192,412.4)
  other v4: 68.57,358.3
J3D2_N: J3.64 OH_CONN1.76 | length 146.6
  Top Layer w0.115: J3.64@67.25,356.75 68.3,356.75 68.375,356.825 69.198,356.825 cw(c69.198,356.398) v5(69.5,356.7)
  Signal 2 w0.115: v5(69.5,356.7) cw(c69.802,356.398) 69.802,356.825 74.128,356.825 ccw(c74.128,359.715) 76.171,357.671 118.406,399.906 cw(c120.202,398.11) 120.202,400.65 177.953,400.65 ccw(c177.953,403.54) 179.996,401.496 187.981,409.481 cw(c189.777,407.685) 189.777,410.225 191.457,410.225 cw(c191.457,409.457) v6(192,410)
  other v4: 69.43,356.7 69.57,356.7
J3D2_P: J3.62 OH_CONN1.74 | length 146.6
  Top Layer w0.115: J3.62@67.25,357.25 68.3,357.25 68.375,357.175 69.198,357.175 ccw(c69.198,357.602) v5(69.5,357.3)
  Signal 2 w0.115: v5(69.5,357.3) ccw(c69.802,357.602) 69.802,357.175 74.128,357.175 ccw(c74.128,359.715) 75.924,357.919 118.159,400.154 cw(c120.202,398.11) 120.202,401 177.953,401 ccw(c177.953,403.54) 179.749,401.744 187.734,409.729 cw(c189.777,407.685) 189.777,410.575 191.457,410.575 ccw(c191.457,411.343) v6(192,410.8)
  other v4: 69.43,357.3 69.57,357.3
J3D3_N: J3.68 OH_CONN1.80 | length 146.3
  Top Layer w0.25: J3.68@67.25,355.75 68.45,355.75 v5(68.5,355.7)
  Signal 2 w0.115: v5(68.5,355.7) cw(c68.802,355.398) 68.802,355.825 74.628,355.825 ccw(c74.628,358.715) 76.671,356.671 118.906,398.906 cw(c120.702,397.11) 120.702,399.65 178.453,399.65 ccw(c178.453,402.54) 180.496,400.496 188,408 cw(c189.509,406.491) 189.509,408.625 191.457,408.625 cw(c191.457,407.857) v6(192,408.4)
  other v4: 68.57,355.7
J3D3_P: J3.66 OH_CONN1.78 | length 146.3
  Top Layer w0.25: J3.66@67.25,356.25 68.45,356.25 v5(68.5,356.3)
  Signal 2 w0.115: v5(68.5,356.3) ccw(c68.802,356.602) 68.802,356.175 74.628,356.175 ccw(c74.628,358.715) 76.424,356.919 118.659,399.154 cw(c120.702,397.11) 120.702,400 178.453,400 ccw(c178.453,402.54) 180.249,400.744 187.753,408.247 cw(c189.509,406.491) 189.509,408.975 191.457,408.975 ccw(c191.457,409.743) v6(192,409.2)
  other v4: 68.57,356.3
J3D4_N: J3.72 OH_CONN1.84 | length 144.4
  Top Layer w0.115: J3.72@67.25,354.75 68.3,354.75 68.375,354.825 69.198,354.825 cw(c69.198,354.398) v5(69.5,354.7)
  Signal 2 w0.115: v5(69.5,354.7) cw(c69.802,354.398) 69.802,354.825 75.128,354.825 ccw(c75.128,357.715) 77.171,355.671 119.406,397.906 cw(c121.202,396.11) 121.202,398.65 183.453,398.65 ccw(c183.453,401.54) 185.496,399.496 188.281,402.281 cw(c190.077,400.485) 190.077,403.025 191.457,403.025 cw(c191.457,402.257) v6(192,402.8)
  other v4: 69.43,354.7 69.57,354.7
J3D4_P: J3.70 OH_CONN1.82 | length 144.4
  Top Layer w0.115: J3.70@67.25,355.25 68.3,355.25 68.375,355.175 69.198,355.175 ccw(c69.198,355.602) v5(69.5,355.3)
  Signal 2 w0.115: v5(69.5,355.3) ccw(c69.802,355.602) 69.802,355.175 75.128,355.175 ccw(c75.128,357.715) 76.924,355.919 119.159,398.154 cw(c121.202,396.11) 121.202,399 183.453,399 ccw(c183.453,401.54) 185.249,399.744 188.034,402.529 cw(c190.077,400.485) 190.077,403.375 191.457,403.375 ccw(c191.457,404.143) v6(192,403.6)
  other v4: 69.43,355.3 69.57,355.3
J3D5_N: J3.76 OH_CONN1.88 | length 144.1
  Top Layer w0.25: J3.76@67.25,353.75 68.45,353.75 v5(68.5,353.7)
  Signal 2 w0.115: v5(68.5,353.7) cw(c68.802,353.398) 68.802,353.825 75.628,353.825 ccw(c75.628,356.715) 77.671,354.671 119.906,396.906 cw(c121.702,395.11) 121.702,397.65 183.953,397.65 ccw(c183.953,400.54) 185.996,398.496 188.181,400.681 cw(c189.977,398.885) 189.977,401.425 191.457,401.425 cw(c191.457,400.657) v6(192,401.2)
  other v4: 68.57,353.7
J3D5_P: J3.74 OH_CONN1.86 | length 144.1
  Top Layer w0.25: J3.74@67.25,354.25 68.45,354.25 v5(68.5,354.3)
  Signal 2 w0.115: v5(68.5,354.3) ccw(c68.802,354.602) 68.802,354.175 75.628,354.175 ccw(c75.628,356.715) 77.424,354.919 119.659,397.154 cw(c121.702,395.11) 121.702,398 183.953,398 ccw(c183.953,400.54) 185.749,398.744 187.934,400.929 cw(c189.977,398.885) 189.977,401.775 191.457,401.775 ccw(c191.457,402.543) v6(192,402)
  other v4: 68.57,354.3
J3D6_N: J3.80 OH_CONN1.92 | length 143.9
  Top Layer w0.115: J3.80@67.25,352.75 68.3,352.75 68.375,352.825 69.198,352.825 cw(c69.198,352.398) v5(69.5,352.7)
  Signal 2 w0.115: v5(69.5,352.7) cw(c69.802,352.398) 69.802,352.825 76.128,352.825 ccw(c76.128,355.715) 78.171,353.671 120.406,395.906 cw(c122.202,394.11) 122.202,396.65 184.453,396.65 ccw(c184.453,399.54) 186.496,397.496 188.081,399.081 cw(c189.877,397.285) 189.877,399.825 191.457,399.825 cw(c191.457,399.057) v6(192,399.6)
  other v4: 69.43,352.7 69.57,352.7
J3D6_P: J3.78 OH_CONN1.90 | length 143.9
  Top Layer w0.115: J3.78@67.25,353.25 68.3,353.25 68.375,353.175 69.198,353.175 ccw(c69.198,353.602) v5(69.5,353.3)
  Signal 2 w0.115: v5(69.5,353.3) ccw(c69.802,353.602) 69.802,353.175 76.128,353.175 ccw(c76.128,355.715) 77.924,353.919 120.159,396.154 cw(c122.202,394.11) 122.202,397 184.453,397 ccw(c184.453,399.54) 186.249,397.744 187.834,399.329 cw(c189.877,397.285) 189.877,400.175 191.457,400.175 ccw(c191.457,400.943) v6(192,400.4)
  other v4: 69.43,353.3 69.57,353.3
J3D7_N: J3.84 OH_CONN1.96 | length 143.6
  Top Layer w0.25: J3.84@67.25,351.75 68.45,351.75 v5(68.5,351.7)
  Signal 2 w0.115: v5(68.5,351.7) cw(c68.802,351.398) 68.802,351.825 76.628,351.825 ccw(c76.628,354.715) 78.671,352.671 120.906,394.906 cw(c122.702,393.11) 122.702,395.65 184.953,395.65 ccw(c184.953,398.54) 186.996,396.496 187.981,397.481 cw(c189.777,395.685) 189.777,398.225 191.457,398.225 cw(c191.457,397.457) v6(192,398)
  other v4: 68.57,351.7
J3D7_P: J3.82 OH_CONN1.94 | length 143.6
  Top Layer w0.25: J3.82@67.25,352.25 68.45,352.25 v5(68.5,352.3)
  Signal 2 w0.115: v5(68.5,352.3) ccw(c68.802,352.602) 68.802,352.175 76.628,352.175 ccw(c76.628,354.715) 78.424,352.919 120.659,395.154 cw(c122.702,393.11) 122.702,396 184.953,396 ccw(c184.953,398.54) 186.749,396.744 187.734,397.729 cw(c189.777,395.685) 189.777,398.575 191.457,398.575 ccw(c191.457,399.343) v6(192,398.8)
  other v4: 68.57,352.3
J3D8_N: J3.88 OH_CONN1.100 | length 143.4
  Top Layer w0.115: J3.88@67.25,350.75 68.3,350.75 68.375,350.825 69.198,350.825 cw(c69.198,350.398) v5(69.5,350.7)
  Signal 2 w0.115: v5(69.5,350.7) cw(c69.802,350.398) 69.802,350.825 77.128,350.825 ccw(c77.128,353.715) 79.171,351.671 121.406,393.906 cw(c123.202,392.11) 123.202,394.65 185.453,394.65 ccw(c185.453,397.54) 187.496,395.496 188,396 cw(c189.509,394.491) 189.509,396.625 191.457,396.625 cw(c191.457,395.857) v6(192,396.4)
  other v4: 69.43,350.7 69.57,350.7
J3D8_P: J3.86 OH_CONN1.98 | length 143.4
  Top Layer w0.115: J3.86@67.25,351.25 68.3,351.25 68.375,351.175 69.198,351.175 ccw(c69.198,351.602) v5(69.5,351.3)
  Signal 2 w0.115: v5(69.5,351.3) ccw(c69.802,351.602) 69.802,351.175 77.128,351.175 ccw(c77.128,353.715) 78.924,351.919 121.159,394.154 cw(c123.202,392.11) 123.202,395 185.453,395 ccw(c185.453,397.54) 187.249,395.744 187.753,396.247 cw(c189.509,394.491) 189.509,396.975 191.457,396.975 ccw(c191.457,397.743) v6(192,397.2)
  other v4: 69.43,351.3 69.57,351.3
J3Reset: J3.52 OH_CONN1.4 | length 261.2
  Top Layer w0.2: J3.52@67.25,359.75 68.5,359.75 v1(70.25,361.5) ; v1(191,448) 190.5,448 189.75,447.25 189.75,443.25 190.2,442.8 OH_CONN1.4@193.135,442.8
  Signal 1 w0.2: v1(70.25,361.5) 70.25,399.5 61.25,408.5 61.25,442.5 62.25,443.5 77.25,443.5 79,445.25 79,467.75 81.5,470.25 168.75,470.25 189,450 v1(191,448)